# Altium PCB mppt.PcbDoc (part 1 of 2) (continued)
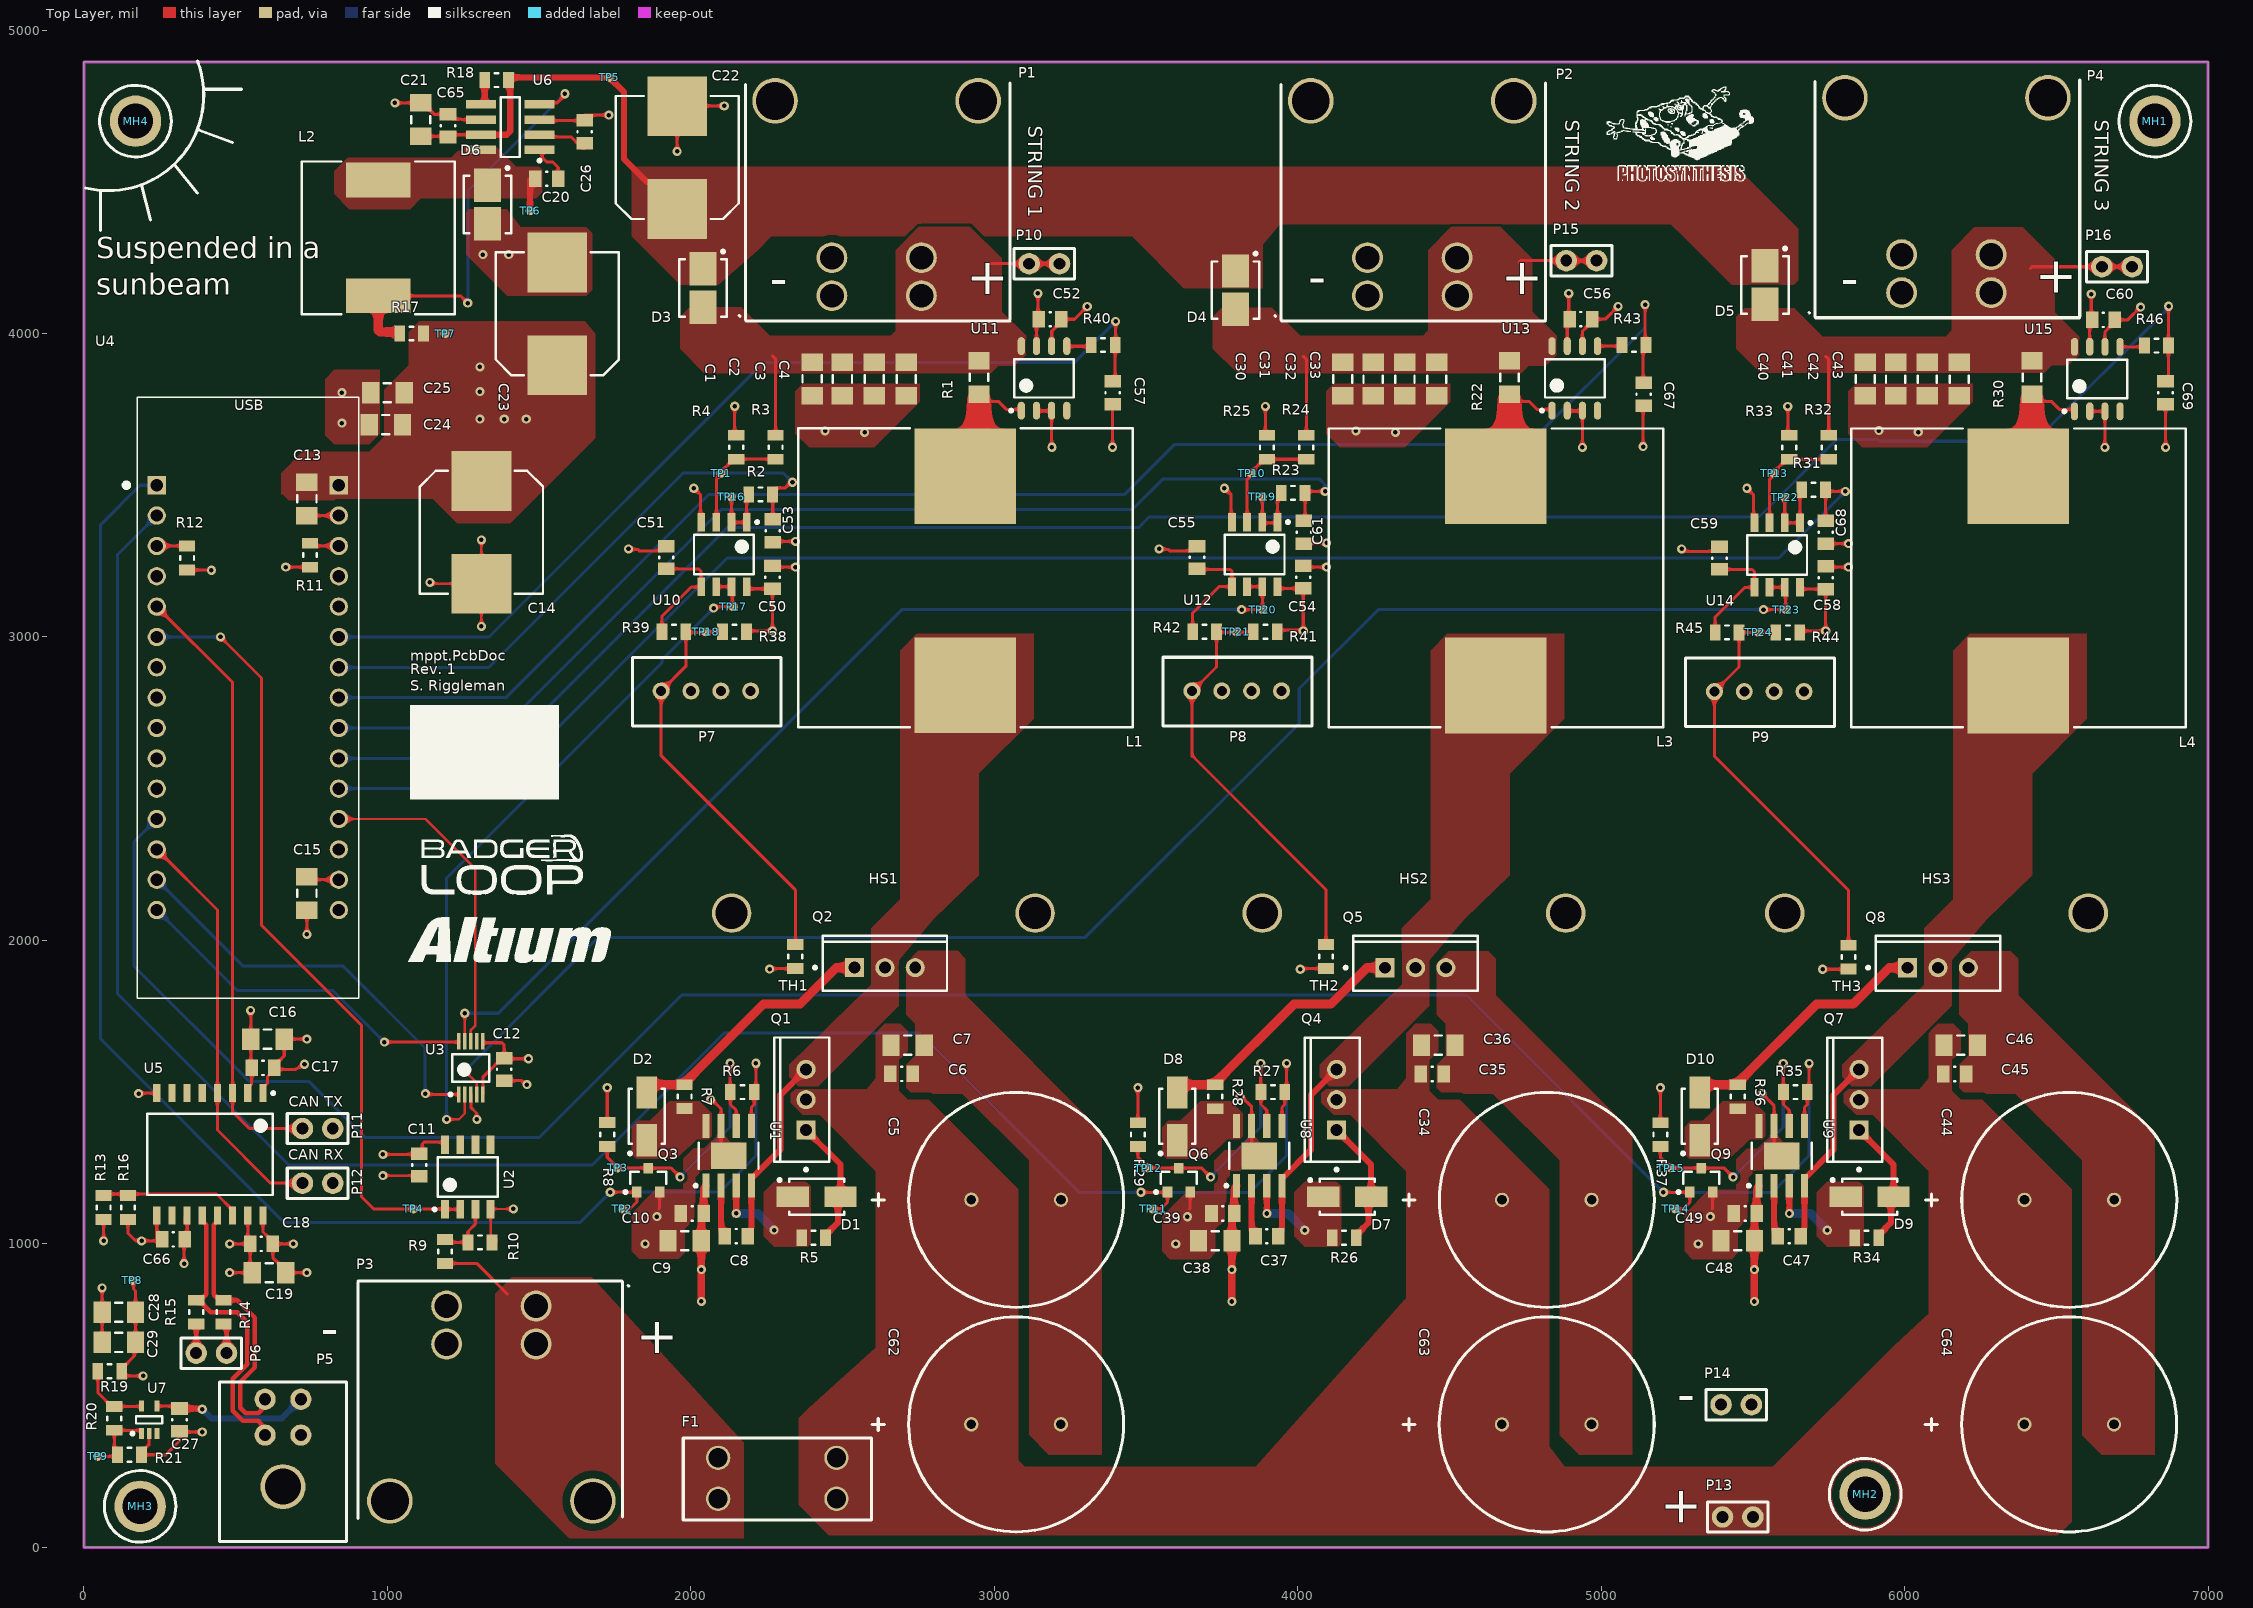
[diagram p0: Top Layer view]
## Classes and differential pairs
net class HV_115V: BATT_TELEM_OUT BOOST_OUT_STRING1 BOOST_STRING1 BOOST_STRING2 BOOST_STRING3 DH_STRING1 DH_STRING2 DH_STRING3 NetC8_1 NetC37_1 NetC47_1 SYNC_DRV_STRING1 SYNC_DRV_STRING2 SYNC_DRV_STRING3
net class HV_60V: I_SC_IN_NEG_STRING1 I_SC_IN_NEG_STRING2 I_SC_IN_NEG_STRING3 NetC21_1 NetR18_2 STRING_POS_STRING1 STRING_POS_STRING2 STRING_POS_STRING3
component class MPPT_TOP: C20 C21 C22 C23 C24 C25 C26 C27 C28 C29 C65 D3 D4 D5 D6 L2 R17 R18 R19 R20 R21 TP5 TP6 TP7 TP8 TP9 U6 U7
component class U_boost_converter_telem3: C58 C59 C60 C68 C69 P9 R31 R44 R45 R46 TH3 TP22 TP23 TP24 U14 U15
component class U_boost_converter_telem2: C54 C55 C56 C61 C67 P8 R23 R41 R42 R43 TH2 TP19 TP20 TP21 U12 U13
component class U_boost_converter_telem1: C50 C51 C52 C53 C57 P7 R2 R38 R39 R40 TH1 TP16 TP17 TP18 U10 U11
channel class boost_converter_telem: STRING1 STRING2 STRING3
channel class boost_converter: STRING1 STRING2 STRING3
component class STRING3: C40 C41 C42 C43 C44 C45 C46 C47 C48 C49 C64 D9 D10 HS3 L4 P16 Q7 Q8 Q9 R30 R32 R33 R34 R35 R36 R37 TP13 TP14 TP15 U9
component class STRING2: C30 C31 C32 C33 C34 C35 C36 C37 C38 C39 C63 D7 D8 HS2 L3 P15 Q4 Q5 Q6 R22 R24 R25 R26 R27 R28 R29 TP10 TP11 TP12 U8
component class STRING1: C1 C2 C3 C4 C5 C6 C7 C8 C9 C10 C62 D1 D2 HS1 L1 P10 Q1 Q2 Q3 R1 R3 R4 R5 R6 R7 R8 TP1 TP2 TP3 U1
differential pair CAN: +CAN_P -CAN_N

## Components (designator, comment, footprint, x,y, rotation, side; value= is the part's Value field where it differs from the comment)
C1 "10 µF" SMD-1206C 2499.61,3850.2 r90 top
C2 "10 µF" SMD-1206C 2399.61,3850.31 r90 top
C3 "1µF" SMD-1206C 2604.61,3850.2 r270 top
C4 "1µF" SMD-1206C 2709.61,3850.2 r270 top
C5 "UCY2G101MHD6" UCY2G101MHD6 3219.88,1145.2 r180 top
C6 "0.1uF" SMD-0805C 2694.61,1560.2 r180 top
C7 "10 µF" SMD-1206C 2714.61,1655.2 r180 top
C8 "0.1uF" SMD-0805C 2149.61,1025.2 r0 top
C9 "1µF" SMD-1206C 1979.61,1010.2 r180 top
C10 "0.1uF" SMD-0805C 2004.61,1100.2 r0 top
C11 "0.1uF" SMD-0805C 1105,1260 r270 top (schematic designator C32)
C12 "0.1uF" SMD-0805C 1385,1575 r270 top (schematic designator C33)
C13 "1µF" SMD-1206C 735,3455 r270 top (schematic designator C15)
C14 "PCR1J101MCL1GS" CAPAE110103X126M 1310,3345 r270 top (schematic designator C16)
C15 "1µF" SMD-1206C 735,2155 r270 top (schematic designator C17)
C16 "1µF" SMD-1206C 605,1675 r180 top (schematic designator C18)
C17 "0.1uF" SMD-0805C 590,1580 r180 top (schematic designator C19)
C18 "0.1uF" SMD-0805C 585,1000 r180 top (schematic designator C20)
C19 "1µF" SMD-1206C 610,905 r180 top (schematic designator C21)
C20 "0.1uF" SMD-0805C 1525,4510 r180 top (schematic designator C22)
C21 "1µF" SMD-1206C 1110,4705 r90 top (schematic designator C23)
C22 "PCR1J101MCL1GS" CAPAE110103X126M 1955,4580 r90 top (schematic designator C24)
C23 "PCR1J101MCL1GS" CAPAE110103X126M 1560,4064.8 r90 top (schematic designator C25)
C24 "10 µF" SMD-1206C 995,3700 r0 top (schematic designator C26)
C25 "1µF" SMD-1206C 1000,3805 r180 top (schematic designator C27)
C26 "0.1uF" SMD-0805C 1650,4665 r90 top (schematic designator C28)
C27 "0.1uF" SMD-0805C 315,420 r270 top (schematic designator C29)
C28 "10 µF" SMD-1206C 115,775 r0 top (schematic designator C30)
C29 "1µF" SMD-1206C 115,675 r180 top (schematic designator C31)
C30 "10 µF" SMD-1206C 4248.19,3850 r90 top (schematic designator C1)
C31 "10 µF" SMD-1206C 4148.19,3850.12 r90 top (schematic designator C2)
C32 "1µF" SMD-1206C 4353.19,3850 r270 top (schematic designator C3)
C33 "1µF" SMD-1206C 4458.19,3850 r270 top (schematic designator C4)
C34 "UCY2G101MHD6" UCY2G101MHD6 4968.46,1145 r180 top (schematic designator C5)
C35 "0.1uF" SMD-0805C 4443.19,1560 r180 top (schematic designator C6)
C36 "10 µF" SMD-1206C 4463.19,1655 r180 top (schematic designator C7)
C37 "0.1uF" SMD-0805C 3898.19,1025 r0 top (schematic designator C8)
C38 "1µF" SMD-1206C 3728.19,1010 r180 top (schematic designator C9)
C39 "0.1uF" SMD-0805C 3753.19,1100 r0 top (schematic designator C10)
C40 "10 µF" SMD-1206C 5970,3850 r90 top (schematic designator C1)
C41 "10 µF" SMD-1206C 5870,3850.12 r90 top (schematic designator C2)
C42 "1µF" SMD-1206C 6075,3850 r270 top (schematic designator C3)
C43 "1µF" SMD-1206C 6180,3850 r270 top (schematic designator C4)
C44 "UCY2G101MHD6" UCY2G101MHD6 6690.28,1145 r180 top (schematic designator C5)
C45 "0.1uF" SMD-0805C 6165,1560 r180 top (schematic designator C6)
C46 "10 µF" SMD-1206C 6185,1655 r180 top (schematic designator C7)
C47 "0.1uF" SMD-0805C 5620,1025 r0 top (schematic designator C8)
C48 "1µF" SMD-1206C 5450,1010 r180 top (schematic designator C9)
C49 "0.1uF" SMD-0805C 5475,1100 r0 top (schematic designator C10)
C50 "0.1uF" SMD-0805C 2269,3197 r90 top (schematic designator C11)
C51 "0.1uF" SMD-0805C 1919,3262 r90 top (schematic designator C12)
C52 "0.1uF" SMD-0805C 3184,4047 r180 top (schematic designator C13)
C53 "0.1uF" SMD-0805C 2270,3350 r270 top (schematic designator C14)
C54 "0.1uF" SMD-0805C 4018.16,3197.2 r90 top (schematic designator C11)
C55 "0.1uF" SMD-0805C 3668.16,3262.2 r90 top (schematic designator C12)
C56 "0.1uF" SMD-0805C 4933.16,4047.2 r180 top (schematic designator C13)
C57 "0.1uF" SMD-0805C 3390,3805 r270 top (schematic designator C37)
C58 "0.1uF" SMD-0805C 5740,3195 r90 top (schematic designator C11)
C59 "0.1uF" SMD-0805C 5390,3260 r90 top (schematic designator C12)
C60 "0.1uF" SMD-0805C 6655,4045 r180 top (schematic designator C13)
C61 "0.1uF" SMD-0805C 4020,3345 r270 top (schematic designator C14)
C62 "UCY2G101MHD6" UCY2G101MHD6 3219.61,405.2 r180 top (schematic designator C34)
C63 "UCY2G101MHD6" UCY2G101MHD6 4968.19,405 r180 top (schematic designator C34)
C64 "UCY2G101MHD6" UCY2G101MHD6 6690,405 r180 top (schematic designator C34)
C65 "0.1uF" SMD-0805C 1200,4685 r90 top (schematic designator C35)
C66 "0.1uF" SMD-0805C 295,1015 r180 top (schematic designator C36)
C67 "0.1uF" SMD-0805C 5140,3800 r270 top (schematic designator C37)
C68 "0.1uF" SMD-0805C 5740,3345 r270 top (schematic designator C14)
C69 "0.1uF" SMD-0805C 6860,3805 r270 top (schematic designator C37)
D1 "B340A-13-F" DIOM4326X20N 2414.61,1155.2 r0 top
D2 "B340A-13-F" DIOM4326X20N 1854.61,1420.2 r90 top
D3 "S320" DIOM4436X26N 2040,4150 r270 top
D4 "S320" DIOM4436X26N 3795,4142.99 r270 top
D5 "S320" DIOM4436X26N 5540,4160 r270 top
D6 "S320" DIOM4436X26N 1330,4425 r270 top
D7 "B340A-13-F" DIOM4326X20N 4163.19,1155 r0 top (schematic designator D1)
D8 "B340A-13-F" DIOM4326X20N 3603.19,1420 r90 top (schematic designator D2)
D9 "B340A-13-F" DIOM4326X20N 5885,1155 r0 top (schematic designator D1)
D10 "B340A-13-F" DIOM4326X20N 5325,1420 r90 top (schematic designator D2)
F1 "3568" "Fuse Holder 30A 500V 1 Circuit Blade Through Hole" 2480,295 r180 top
HS1 "6396BG" 6396BG 2134.61,2090.2 r0 top
HS2 "6396BG" 6396BG 3883.19,2090 r0 top (schematic designator HS1)
HS3 "6396BG" 6396BG 5605,2090 r0 top (schematic designator HS1)
L1 "74437529203101" 7443752903101 2904.61,3195.2 r270 top
L2 "SRR1260A-561K" SRR1260A-561K 970,4315 r270 top
L3 "74437529203101" 7443752903101 4653.19,3195 r270 top (schematic designator L1)
L4 "74437529203101" 7443752903101 6375,3195 r270 top (schematic designator L1)
MH1 "4-40 Mount Hole" MH 6825,4700 r0 top
MH2 "4-40 Mount Hole" MH 5870,175 r0 top
MH3 "4-40 Mount Hole" MH 185,135 r0 top
MH4 "4-40 Mount Hole" MH 170,4700 r0 top
P1 "0431605302" "CONN HDR 2POS 7.50MM" 2947.01,4766.93 r180 top (schematic designator P2)
P2 "0431605302" "CONN HDR 2POS 7.50MM" 4712.01,4766.93 r180 top (schematic designator P3)
P3 "0431605302" "CONN HDR 2POS 7.50MM" 1007.99,153.07 r0 top (schematic designator P4)
P4 "0431605302" "CONN HDR 2POS 7.50MM" 6472.01,4776.93 r180 top (schematic designator P5)
P5 "43045-0400" 430450400 656,200 r0 top (schematic designator P6)
P6 "Header 2" "Pin Header 1x2 TH Pitch 2.54mm" 470,640 r180 top (schematic designator P7)
P7 "JST-XH Header" "JST - XH 4 Pos" 1902.16,2822 r0 top (schematic designator P1)
P8 "JST-XH Header" "JST - XH 4 Pos" 3651.32,2822.2 r0 top (schematic designator P1)
P9 "JST-XH Header" "JST - XH 4 Pos" 5373.16,2820 r0 top (schematic designator P1)
P10 "Header 2" "Pin Header 1x2 TH Pitch 2.54mm" 3215,4230 r180 top (schematic designator P8)
P11 "Header 2" "Pin Header 1x2 TH Pitch 2.54mm" 820,1380 r180 top (schematic designator P9)
P12 "Header 2" "Pin Header 1x2 TH Pitch 2.54mm" 820,1200 r180 top (schematic designator P10)
P13 "Header 2" "Pin Header 1x2 TH Pitch 2.54mm" 5500,100 r180 top (schematic designator P11)
P14 "Header 2" "Pin Header 1x2 TH Pitch 2.54mm" 5495,470 r180 top (schematic designator P12)
P15 "Header 2" "Pin Header 1x2 TH Pitch 2.54mm" 4985,4240 r180 top (schematic designator P8)
P16 "Header 2" "Pin Header 1x2 TH Pitch 2.54mm" 6650,4220 r0 top (schematic designator P8)
Q1 "IPP075N15N3GXKSA1" "IPP075N15N3 G" 2379.61,1475.2 r180 top
Q2 "IPP075N15N3GXKSA1" "IPP075N15N3 G" 2639.61,1910.2 r90 top
Q3 "N-MOS Enhancement Mode" SOT95P240X110-3N 1859.61,1210.2 r90 top
Q4 "IPP075N15N3GXKSA1" "IPP075N15N3 G" 4128.19,1475 r180 top (schematic designator Q1)
Q5 "IPP075N15N3GXKSA1" "IPP075N15N3 G" 4388.19,1910 r90 top (schematic designator Q2)
Q6 "N-MOS Enhancement Mode" SOT95P240X110-3N 3608.19,1210 r90 top (schematic designator Q3)
Q7 "IPP075N15N3GXKSA1" "IPP075N15N3 G" 5850,1475 r180 top (schematic designator Q1)
Q8 "IPP075N15N3GXKSA1" "IPP075N15N3 G" 6110,1910 r90 top (schematic designator Q2)
Q9 "N-MOS Enhancement Mode" SOT95P240X110-3N 5330,1210 r90 top (schematic designator Q3)
R1 "Value" SMD-1206-RES 2949.61,3855.2 r270 top
R2 "1k" SMD-0805-RES 2230,3470 r0 top
R3 "100k" SMD-0805-RES 2279.61,3625.2 r270 top
R4 "3.3k" SMD-0805-RES 2149.61,3625.2 r90 top
R5 "0.0" SMD-0805-RES 2404.61,1020.2 r0 top
R6 "0.0" SMD-0805-RES 2169.61,1500.2 r0 top
R7 "0.0" SMD-0805-RES 1979.61,1485.2 r90 top
R8 "10k" SMD-0805-RES 1724.61,1360.2 r90 top
R9 "100k" SMD-0805-RES 1190,975 r90 top (schematic designator R23)
R10 "3.3k" SMD-0805-RES 1305,1005 r0 top (schematic designator R24)
R11 "10k" SMD-0805-RES 745,3269.37 r270 top (schematic designator R12)
R12 "10k" SMD-0805-RES 340,3260 r270 top (schematic designator R13)
R13 "10k" SMD-0805-RES 65,1120 r270 top (schematic designator R14)
R14 "60.4" SMD-0805-RES 460,775 r270 top (schematic designator R15)
R15 "60.4" SMD-0805-RES 370,775 r270 top (schematic designator R16)
R16 "10k" SMD-0805-RES 145,1120 r90 top (schematic designator R17)
R17 "0.0" SMD-0805-RES 1080,4000 r180 top (schematic designator R18)
R18 "0.0" SMD-0805-RES 1360,4835 r180 top (schematic designator R19)
R19 "0.0" SMD-0805-RES 85,580 r180 top (schematic designator R20)
R20 "249k" SMD-0805-RES 100,425 r90 top (schematic designator R21)
R21 "10k" SMD-0805-RES 150,305 r180 top (schematic designator R22)
R22 "Value" SMD-1206-RES 4698.19,3855 r270 top (schematic designator R1)
R23 "1k" SMD-0805-RES 3985,3475 r0 top (schematic designator R2)
R24 "100k" SMD-0805-RES 4028.19,3625 r270 top (schematic designator R3)
R25 "3.3k" SMD-0805-RES 3898.19,3625 r90 top (schematic designator R4)
R26 "0.0" SMD-0805-RES 4153.19,1020 r0 top (schematic designator R5)
R27 "0.0" SMD-0805-RES 3918.19,1500 r0 top (schematic designator R6)
R28 "0.0" SMD-0805-RES 3728.19,1485 r90 top (schematic designator R7)
R29 "10k" SMD-0805-RES 3473.19,1360 r90 top (schematic designator R8)
R30 "Value" SMD-1206-RES 6420,3855 r270 top (schematic designator R1)
R31 "1k" SMD-0805-RES 5700,3485 r0 top (schematic designator R2)
R32 "100k" SMD-0805-RES 5750,3625 r270 top (schematic designator R3)
R33 "3.3k" SMD-0805-RES 5620,3625 r90 top (schematic designator R4)
R34 "0.0" SMD-0805-RES 5875,1020 r0 top (schematic designator R5)
R35 "0.0" SMD-0805-RES 5640,1500 r0 top (schematic designator R6)
R36 "0.0" SMD-0805-RES 5450,1485 r90 top (schematic designator R7)
R37 "10k" SMD-0805-RES 5195,1360 r90 top (schematic designator R8)
R38 "10k" SMD-0805-RES 2144,3017 r0 top (schematic designator R9)
R39 "30k" SMD-0805-RES 1944,3017 r180 top (schematic designator R10)
R40 "1k" SMD-0805-RES 3359,3962 r0 top (schematic designator R11)
R41 "10k" SMD-0805-RES 3893.16,3017.2 r0 top (schematic designator R9)
R42 "30k" SMD-0805-RES 3693.16,3017.2 r180 top (schematic designator R10)
R43 "1k" SMD-0805-RES 5108.16,3962.2 r0 top (schematic designator R11)
R44 "10k" SMD-0805-RES 5615,3015 r0 top (schematic designator R9)
R45 "30k" SMD-0805-RES 5415,3015 r180 top (schematic designator R10)
R46 "1k" SMD-0805-RES 6830,3960 r0 top (schematic designator R11)
TH1 "NCP21XM472J03RA" SMD-0805-RES 2344,1947 r90 top
TH2 "NCP21XM472J03RA" SMD-0805-RES 4093.16,1947.2 r90 top (schematic designator TH1)
TH3 "NCP21XM472J03RA" SMD-0805-RES 5815,1945 r90 top (schematic designator TH1)
TP1 "TP" "Test Point" 2099.61,3540.2 r0 top
TP2 "TP" "Test Point" 1774.61,1115.2 r0 top
TP3 "TP" "Test Point" 1759.61,1250.2 r90 top
TP4 "TP" "Test Point" 1085,1115 r90 top (schematic designator TP12)
TP5 "TP" "Test Point" 1731,4844 r90 top (schematic designator TP7)
TP6 "TP" "Test Point" 1470,4405 r90 top (schematic designator TP8)
TP7 "TP" "Test Point" 1190,4000 r90 top (schematic designator TP9)
TP8 "TP" "Test Point" 160,880 r90 top (schematic designator TP10)
TP9 "TP" "Test Point" 45,300 r90 top (schematic designator TP11)
TP10 "TP" "Test Point" 3848.19,3540 r0 top (schematic designator TP1)
TP11 "TP" "Test Point" 3523.19,1115 r0 top (schematic designator TP2)
TP12 "TP" "Test Point" 3508.19,1250 r90 top (schematic designator TP3)
TP13 "TP" "Test Point" 5570,3540 r0 top (schematic designator TP1)
TP14 "TP" "Test Point" 5245,1115 r0 top (schematic designator TP2)
TP15 "TP" "Test Point" 5230,1250 r90 top (schematic designator TP3)
TP16 "TP" "Test Point" 2134,3462 r90 top (schematic designator TP4)
TP17 "TP" "Test Point" 2140,3100 r90 top (schematic designator TP5)
TP18 "TP" "Test Point" 2049,3017 r90 top (schematic designator TP6)
TP19 "TP" "Test Point" 3883.16,3462.2 r90 top (schematic designator TP4)
TP20 "TP" "Test Point" 3885,3090 r90 top (schematic designator TP5)
TP21 "TP" "Test Point" 3798.16,3017.2 r90 top (schematic designator TP6)
TP22 "TP" "Test Point" 5605,3460 r90 top (schematic designator TP4)
TP23 "TP" "Test Point" 5610,3090 r90 top (schematic designator TP5)
TP24 "TP" "Test Point" 5520,3015 r90 top (schematic designator TP6)
U1 "MAX5063DASA+" MAX5063DASA+ 2124.61,1290.2 r90 top
U2 "TL072CDR" SOP127P600X175-8N 1265,1220 r90 top (schematic designator U8)
U3 "TMUX1204DGSR" TSSOP50P490X110-10N 1275,1580 r90 top (schematic designator U9)
U4 "NUCLEO-L432KC" NUCLEO-L432KC 240,3500 r0 top
U5 "IL41050TE" "IL 41050TE" 415,1295 r270 top
U6 "MAX5033CUSA+" MAX5033CUSA+ 1405,4680 r180 top
U7 "ST715CR" ST715CR 215,420 r90 top
U8 "MAX5063DASA+" MAX5063DASA+ 3873.19,1290 r90 top (schematic designator U1)
U9 "MAX5063DASA+" MAX5063DASA+ 5595,1290 r90 top (schematic designator U1)
U10 "TL072CDR" SOP127P600X175-8N 2109,3272 r270 top (schematic designator U2)
U11 "INA240A3" SOIC127P600X175-8N 3164,3852 r90 top (schematic designator U3)
U12 "TL072CDR" SOP127P600X175-8N 3858.16,3272.2 r270 top (schematic designator U2)
U13 "INA240A3" SOIC127P600X175-8N 4913.16,3852.2 r90 top (schematic designator U3)
U14 "TL072CDR" SOP127P600X175-8N 5580,3270 r270 top (schematic designator U2)
U15 "INA240A3" SOIC127P600X175-8N 6635,3850 r90 top (schematic designator U3)

## Footprints (in the part's own frame and the unit in brackets; to place one, negate y for a bottom-side part, rotate by r counter-clockwise, add the part's x,y. Pads: shape width x height; smd on the part's side, far side on the other; paste and mask are expansions set on the pad)
6396BG [mil] "Heat Sink TO-220, TO-218 Aluminum 4.0W @ 30°C Board Level, Vertical"
  round 130 hole 105: 0(0,0) 1(1000,0)
  body extent -325,-505 1325,495, height 1000
430450400 [mil]
  round 70 hole 40: 1(59,170) 2(-59,170) 3(59,288) 4(-59,288)
  round 148 hole 118: 5(0,0)
  silkscreen extent -210,-181 210,344, body extent -200,-180 200,302, height 340
7443752903101 [mm] "Precision Wire Wound Inductor, 2-Leads, Body 25.00x28.00mm, IPC Medium Density"
  rect 8x8.5 smd: 1(-8.5,0) 2(9.017,0)
  silkscreen extent -12.5,-14 12.5,14, body extent -11.42,-13.58 11.67,13.72, height 20
CAPAE110103X126M [mm] "Aluminum Electrolytic Capacitor, Body 10.30x10.30x12.60mm, IPC Low Density"
  rect 5x5 smd: 1(-4.3,0) 2(4.3,0)
  silkscreen extent -5.15,-5.15 5.15,5.15, body extent -5.5,-5.15 5.5,5.15, height 12.6
"CONN HDR 2POS 7.50MM" [mm]
  round 2.58 hole 1.98: 1(4.75,16.31) 1(4.75,13.13) 2(12.243,13.13) 2(12.243,16.31)
  round 3.81 hole 3.175: ""(0,0) ""(16.993,0)
  silkscreen extent -2.67,-1.49 20,18.42, body extent -2.29,-3.05 18.8,16.74, height 15.12
DIOM4326X20N [mm] "Molded Diode, 2-Leads, Body 4.30x2.61mm, IPC Medium Density"
  rect 2.7x1.7 smd: 1(-2,0) 2(2,0)
  silkscreen extent -3.22,-1.5 2.3,1.52, body extent -2.52,-1.46 2.52,1.46, height 1.96
DIOM4436X26N [mm] "Molded Diode, 2-Leads, Body 4.40x3.62mm, IPC Medium Density"
  rect 2.8x2.26 smd: 1(-1.6,0) 2(1.6,0)
  silkscreen extent -3.17,-2 2.4,2, body extent -2.6,-1.97 2.6,1.97, height 2.61
"Fuse Holder 30A 500V 1 Circuit Blade Through Hole" [mil]
  round 80 hole 63: 1(0,135) 1(0,0) 2(390,0) 2(390,135)
  silkscreen extent -115,-65 505,205, body extent -110,-60 505,200, height 290
"IL 41050TE" [mm]
  rect 1.5x0.6 smd: 1(-5.12,4.445) 2(-5.12,3.175) 3(-5.12,1.905) 4(-5.12,0.635) 5(-5.12,-0.635) 6(-5.12,-1.905) 7(-5.12,-3.175) 8(-5.12,-4.445) 9(5.12,-4.445) 10(5.12,-3.175) 11(5.12,-1.905) 12(5.12,-0.635) 13(5.12,0.635) 14(5.12,1.905) 15(5.12,3.175) 16(5.12,4.445)
  silkscreen extent -5.24,-5.25 3.4,5.42, body extent -5.16,-5.25 5.16,5.25, height 2.67
"IPP075N15N3 G" [mm] "FM, 3-Leads, Body 10.03x8.98mm, Pitch 2.54mm"
  rect 1.6x1.6 hole 1: 1(0,2.54)
  round 1.6 hole 1: 2(0,0) 3(0,-2.54)
  silkscreen extent -1.93,-5.2 2.67,5.97, body extent -1.93,-5.2 2.67,5.2, height 20.75
"JST - XH 4 Pos" [mil]
  round 56 hole 33: 1(0,0) 2(98.42,0) 3(196.84,0) 4(295.26,0)
  silkscreen extent -95,-115 395,111, body extent -90,-110 390,105, height 275
MAX5033CUSA+ [mm] "SOIC, 8-Leads, Body 4.9x3.9mm, Pitch 1.27mm, IPC Low Density"
  rect 2.5x0.7 smd: 1(-2.45,1.905) 2(-2.45,0.635) 3(-2.45,-0.635) 4(-2.45,-1.905) 5(2.45,-1.905) 6(2.45,-0.635) 7(2.45,0.635) 8(2.45,1.905)
  silkscreen extent -2.58,-2.5 0.8,2.93, body extent -2,-2.5 2,2.5, height 1.75
MAX5063DASA+ [mm] "SOIC, 8-Leads, Body 4.9x3.9mm, Pitch 1.27mm, Thermal Pad, IPC Medium Density"
  rect 2x0.6 smd: 1(-2.5,1.905) 2(-2.5,0.635) 3(-2.5,-0.635) 4(-2.5,-1.905) 5(2.5,-1.905) 6(2.5,-0.635) 7(2.5,0.635) 8(2.5,1.905)
  rect 2.25x2.95 smd: 9(0,0)
  silkscreen extent -2.62,-2.5 1.1,2.88, body extent -1.99,-2.49 1.99,2.49, height 1.68
MH [mm] "#10 Mount Hole"
  round 4.3 hole 2.946 unplated: 2(0,0)
  silkscreen extent -3,-3 3,3, body extent -2.32,-2.58 2.32,2.07, height 2.84
NUCLEO-L432KC [mm]
  rect 1.53x1.53 hole 1.02: 3.1(0,0) 4.1(15.24,0)
  round 1.53 hole 1.02: 3.2(0,-2.54) 3.3(0,-5.08) 3.4(0,-7.62) 3.5(0,-10.16) 3.6(0,-12.7) 3.7(0,-15.24) 3.8(0,-17.78) 3.9(0,-20.32) 3.10(0,-22.86) 3.11(0,-25.4) 3.12(0,-27.94) 3.13(0,-30.48) 3.14(0,-33.02) 3.15(0,-35.56) 4.2(15.24,-2.54) 4.3(15.24,-5.08) 4.4(15.24,-7.62) 4.5(15.24,-10.16) 4.6(15.24,-12.7) 4.7(15.24,-15.24) 4.8(15.24,-17.78) 4.9(15.24,-20.32) 4.10(15.24,-22.86) 4.11(15.24,-25.4) 4.12(15.24,-27.94) 4.13(15.24,-30.48) 4.14(15.24,-33.02) 4.15(15.24,-35.56)
  silkscreen extent -2.74,-42.92 16.89,7.36, body extent -5.13,-47.16 19.87,10.84, height 6.96
"Pin Header 1x2 TH Pitch 2.54mm" [mm] "PinHeader 1x2 TH Pitch 2.54mm"
  round 1.8 hole 1: 1(0,0) 2(2.54,0)
  silkscreen extent -1.27,-1.27 3.81,1.27, body extent -1.27,-1.27 3.81,1.27, height 9.5
SMD-0805-RES [mm]
  rect 0.9x1.35 smd: 1(-1,0) 2(1,0)
  silkscreen extent -0.15,-0.58 0.15,0.58, body extent -1.1,-0.67 1.1,0.67, height 0.5
SMD-0805C [mm]
  rect 1.05x1.4 smd: 1(-0.95,0) 2(0.95,0)
  silkscreen extent -0.05,-0.6 0.05,0.6, body extent -1.1,-0.67 1.1,0.67, height 0.5
SMD-1206-RES [mm]
  rect 1.45x1.75 smd: 1(-1.4,0) 2(1.4,0)
  silkscreen extent -0.3,-0.77 0.3,0.77, body extent -1.78,-0.87 1.78,0.87, height 0.5
SMD-1206C [mm]
  rect 1.45x1.8 smd: 1(-1.4,0) 2(1.4,0)
  silkscreen extent -0.3,-0.8 0.3,0.8, body extent -1.78,-0.87 1.78,0.87, height 0.5
SOIC127P600X175-8N [mm] "SOIC, 8-Leads, Body 4.90x3.90mm, Pitch 1.27mm, IPC Medium Density"
  oval 1.5x0.6 smd: 1(-2.7,1.905) 2(-2.7,0.635) 3(-2.7,-0.635) 4(-2.7,-1.905) 5(2.7,-1.905) 6(2.7,-0.635) 7(2.7,0.635) 8(2.7,1.905)
  silkscreen extent -2.82,-2.5 1.6,2.88, body extent -3,-2.5 3,2.5, height 1.75
SOP127P600X175-8N [mm] "SOP, 8-Leads, Body 4.91x3.90mm, Pitch 1.27mm, IPC Medium Density"
  rect 1.55x0.65 smd: 1(-2.7,1.905) 2(-2.7,0.635) 3(-2.7,-0.635) 4(-2.7,-1.905) 5(2.7,-1.905) 6(2.7,-0.635) 7(2.7,0.635) 8(2.7,1.905)
  silkscreen extent -2.82,-2.5 1.65,2.9, body extent -3,-2.5 3,2.5, height 1.75
SOT95P240X110-3N [mm] "SOT23, 3-Leads, Body 2.90x2.40mm, Pitch 0.95mm, IPC Medium Density"
  rect 0.9x0.8 smd: 1(-1,0.95) 2(1,0) 3(-1,-0.95)
  silkscreen extent -1.12,-1.5 0.7,2.02, body extent -0.7,-1.5 0.7,1.5, height 1.1
SRR1260A-561K [mm]
  rect 2.9x5.4 smd: 1(-4.85,0) 2(4.85,0)
  silkscreen extent -6.4,-6.4 6.4,6.4, body extent -6.35,-6.25 6.35,6.25, height 6.6
ST715CR [mm] "SOT23, 5-Leads, Body 2.00x2.10mm, Pitch 0.65mm, IPC Medium Density"
  rect 0.9x0.4 smd: 1(-1.15,0.65) 2(-1.15,0) 3(-1.15,-0.65) 4(1.15,-0.65) 5(1.15,0.65)
  silkscreen extent -1.27,-1.1 0.3,1.52, body extent -1.2,-1.1 1.2,1.1, height 1.1
"Test Point" [mil] "SMD Test Point"
  round 30 smd: 1(0,0)
TSSOP50P490X110-10N [mm] "TSSOP, 10-Leads, Body 3.00x3.00mm, Pitch 0.50mm, IPC Medium Density"
  rect 1.35x0.3 smd: 1(-2.225,1) 2(-2.225,0.5) 3(-2.225,0) 4(-2.225,-0.5) 5(-2.225,-1) 6(2.225,-1) 7(2.225,-0.5) 8(2.225,0) 9(2.225,0.5) 10(2.225,1)
  silkscreen extent -2.35,-1.55 1.15,1.82, body extent -2.45,-1.55 2.45,1.55, height 1.1
UCY2G101MHD6 [mm]
  round 1.2 hole 0.8: 1(0,0) 2(7.5,0)
  silkscreen extent -5.25,-9 15.8,9, body extent -5.17,-8.87 12.83,9.12, height 32

## Part data
C1 C2 C7 C24 C28 C30 C31 C36 C40 C41 C46: library part C3216X6S2A106K160AC, "10 µF ±10% 100V Ceramic Capacitor X6S 1206 (3216 Metric)", Manufacturer=TDK, Supplier Part Number 1=445-C3216X6S2A106K160ACCT-ND, Category="Ceramic Capacitors", Manufacturer Part Number=C3216X6S2A106K160AC, Pricing 1="1=1.39000, 10=1.10000, 50=0.95320, 100=0.82490, 500=0.62328, 1000=0.54994 (USD)", RoHS=Yes, Stock 1=2070, Supplier 1=Digi-Key
C3 C4 C9 C13 C15 C16 C19 C21 C25 C29 C32 C33 C38 C42 C43 C48: library part GMC31X7R105K100NT, "CAP CER 1UF 100V X7R 1206", Digi-Key Part Number=2571-GMC31X7R105K100NTTR-ND, Operating Temperature="-55°C ~ 85°C", Package / Case="1206 (3216 Metric)", Ratings=AEC-Q200, Temperature Coefficient=X7R, Tolerance=±20%, Voltage=100V, Applications=Automotive, Datasheets=https://www.digikey.com/en/products/detail/cal-chip-electronics-inc/GMC31X7R105K100NT/12697998, Features=-, Height - Seated (Max)=-, Lead Spacing=-, Lead Style=-, Mounting Type="Surface Mount, MLCC", Packaging=1206, Part Number=GMC31X7R105K100NT, Size / Dimension="0.126\" L x 0.063\" W (3.20mm x 1.60mm)", Thickness (Max)="0.071\" (1.80mm)"
C5 C34 C44 C62 C63 C64: "Cap Aluminum Lytic 100uF 400V 20% (18 X 31.5mm) Radial 7.5mm 875mA 12000h 105C Automotive Bulk", Capacitance=100uF, Case/Package=Radial, Manufacturer=Nichicon, Max Operating Temperature=105°C, Min Operating Temperature=-40°C, Package Quantity=50, Ripple Current=875mA, Supplier Part Number 1=647-UCY2G101MHD6, Tolerance=20%, Voltage Rating=400V, Category="Aluminum Electrolytic Capacitors", ComponentLink1Description=https://datasheet.ciiva.com/11675/e-cy-11675845.pdf?src-supplier=Avnet, ComponentLink1URL=https://datasheet.ciiva.com/11675/e-cy-11675845.pdf?src-supplier=Avnet, ComponentLink2Description=https://datasheet.ciiva.com/17522/e-cy-17522213.pdf?src-supplier=Avnet+Europe, ComponentLink2URL=https://datasheet.ciiva.com/17522/e-cy-17522213.pdf?src-supplier=Avnet+Europe, Diameter=18mm, Dissipation Factor=0.24%, Features="General Purpose", Height=31.5mm, Height - Seated (Max)=1.299inch, Lead Pitch=7.5mm, Length=31.5mm, Life (Hours)=10000Hour, Manufacturer Part Number=UCY2G101MHD6, Mount="Through Hole", Packaging=Bulk, Polarity=Polar, Pricing 1="1=4.44000, 10=3.09000, 50=3.09000, 100=2.08000, 600=1.86000, 1000=1.86000, 10000=1.86000 (USD)", Radiation Hardening=No, RoHS=Yes, RoHS Compliant=Yes, Series=UCY, Stock 1=17, Supplier 1=Mouser, Termination=Radial, Voltage Rating (DC)=400V
C6 C8 C10 C11 C12 C17 C18 C20 C26 C27 C35 C37 C39 C45 C47 C49 C50 C51 C52 C53 C54 C55 C56 C57 C58 C59 C60 C61 C65 C66 C67 C68 C69: library part CGA4J3X7T2E104K125AA, "Cap Ceramic 0.1uF 250V X7T 10% SMD 0805 125°C Blister Plastic T/R", Capacitance=100nF, Case Code (Imperial)=0805, Case Code (Metric)=2012, Dielectric=X7T, Manufacturer=TDK, Max Operating Temperature=125°C, Min Operating Temperature=-55°C, Package Quantity=2000, Ratings=AEC-Q200, Resistor Type=Ceramic, Tolerance=10%, Voltage Rating=250V, Case/Package=0805, Category="Ceramic Capacitors", ComponentLink1Description=https://datasheet.ciiva.com/22703/1807242-22703721.pdf?src-supplier=Element14, ComponentLink1URL=https://datasheet.ciiva.com/22703/1807242-22703721.pdf?src-supplier=Element14, Construction=Flat, Depth=1.25mm, Height=1.25mm, Length=2mm, Manufacturer Part Number=CGA4J3X7T2E104K125AA, Mount="Surface Mount", Packaging="Tape and Reel", Pricing 1="1=0.33000, 10=0.22600, 50=0.15820, 100=0.13560, 500=0.10172, 1000=0.08590 (USD)", Radiation Hardening=No, REACH SVHC="No SVHC", RoHS=Yes, RoHS Compliant=Yes, Series=CGA, Stock 1=335314, Supplier 1=Digi-Key, Supplier Part Number 1=0.1uF, Termination=SMD/SMT, Thickness=0.057inch, Voltage Rating (DC)=250V, Weight=0.000194oz, Width=1.25mm
C14 C22 C23: "CAP ALUM POLY 100UF 20% 63V SMD", Capacitance=100uF, Case/Package=Radial, ESR (Equivalent Series Resistance)=24mR, Leakage Current=3uA, Manufacturer=Nichicon, Max Operating Temperature=125°C, Min Operating Temperature=-55°C, Package Quantity=1, Ripple Current=3A, Supplier Part Number 1=493-13783-1-ND, Tolerance=20%, Voltage=63V, ComponentLink1Description=https://datasheet.ciiva.com/29551/e-ch-ta-29551389.pdf?src-supplier=Digi-Key, ComponentLink1URL=https://datasheet.ciiva.com/29551/e-ch-ta-29551389.pdf?src-supplier=Digi-Key, ComponentLink2Description=https://datasheet.ciiva.com/29551/e-ch-ta-29551390.pdf?src-supplier=Digi-Key, ComponentLink2URL=https://datasheet.ciiva.com/29551/e-ch-ta-29551390.pdf?src-supplier=Digi-Key, ComponentLink3Description=https://datasheet.ciiva.com/29551/e-ch-ta-29551391.pdf?src-supplier=Digi-Key, ComponentLink3URL=https://datasheet.ciiva.com/29551/e-ch-ta-29551391.pdf?src-supplier=Digi-Key, Depth=10.3mm, Diameter=10mm, Dissipation Factor=0.08%, Height=12.7mm, Height - Seated (Max)=0.504inch, Lead Free="Lead Free", Lead Pitch=4.6mm, Length=12.7mm, Life (Hours)=4000Hour, Manufacturer Part Number=PCR1J101MCL1GS, Mount="Surface Mount,PCB", Packaging="Tape and Reel", Pricing 1="1=3.63000, 10=2.92800, 100=2.28380 (USD)", RoHS=Yes, Stock 1=11476, Supplier 1=Digi-Key, Termination=SMD/SMT, Voltage Rating=63V, Voltage Rating (DC)=63V, Weight=0.045856oz
D1 D2 D7 D8 D9 D10: "DIODE SCHOTTKY 40V 3A SMA", Average Rectified Current=3A, Capacitance=250pF, Case/Package=SMA, Forward Voltage=500mV, Manufacturer=Diodes, Max Forward Surge Current (Ifsm)=80A, Max Operating Temperature=125°C, Max Repetitive Reverse Voltage (Vrrm)=40V, Min Operating Temperature=-55°C, Package Quantity=5000, Peak Reverse Current=500uA, Supplier Part Number 1=B340A-FDICT-ND, ComponentLink1Description=https://datasheet.ciiva.com/26949/getdatasheetpartid-143394-26949352.pdf?src-supplier=Verical, ComponentLink1URL=https://datasheet.ciiva.com/26949/getdatasheetpartid-143394-26949352.pdf?src-supplier=Verical, ComponentLink2Description=https://datasheet.ciiva.com/4245/861ds30891-4245763.pdf?src-supplier=Arrow, ComponentLink2URL=https://datasheet.ciiva.com/4245/861ds30891-4245763.pdf?src-supplier=Arrow, ComponentLink3Description=https://datasheet.ciiva.com/1177/ds30891-1177476.pdf?src-supplier=Element14, ComponentLink3URL=https://datasheet.ciiva.com/1177/ds30891-1177476.pdf?src-supplier=Element14, ComponentLink4Description=https://datasheet.ciiva.com/913/ds30891-913638.pdf?src-supplier=Digi-Key, ComponentLink4URL=https://datasheet.ciiva.com/913/ds30891-913638.pdf?src-supplier=Digi-Key, ComponentLink5Description=https://datasheet.ciiva.com/46393/1911813-46393773.pdf?src-supplier=Element14, ComponentLink5URL=https://datasheet.ciiva.com/46393/1911813-46393773.pdf?src-supplier=Element14, ComponentLink6Description=https://datasheet.ciiva.com/1240/ds30891-1240228.pdf?src-supplier=Newark, ComponentLink6URL=https://datasheet.ciiva.com/1240/ds30891-1240228.pdf?src-supplier=Newark, ComponentLink7Description=https://datasheet.ciiva.com/913/ds30891-913637.pdf?src-supplier=Digi-Key, ComponentLink7URL=https://datasheet.ciiva.com/913/ds30891-913637.pdf?src-supplier=Digi-Key, ComponentLink8Description=https://datasheet.ciiva.com/913/ds30891-913639.pdf?src-supplier=Digi-Key, ComponentLink8URL=https://datasheet.ciiva.com/913/ds30891-913639.pdf?src-supplier=Digi-Key, Contact Plating=Tin,Matte, Current=3A, Current Rating=3A, Element Configuration=Single, Forward Current=3A, Height=2.3mm, Lead Free="Lead Free", Length=4.6mm, Manufacturer Part Number=B340A-13-F, Max Reverse Voltage (DC)=40V, Mount="Surface Mount", Number of Pins=2, Output Current=3A, Packaging="Tape and Reel", Peak Non-Repetitive Surge Current=80A, Polarity=Standard, Pricing 1="1=0.42000, 10=0.33900, 100=0.23070, 500=0.17304, 1000=0.12978 (USD)", Radiation Hardening=No, REACH SVHC="No SVHC", RoHS=Yes, Stock 1=438328, Supplier 1=Digi-Key, Termination=SMD/SMT, Voltage=40V, Voltage Rating (DC)=40V, Weight=0.002258oz, Width=2.92mm
D3 D4 D5 D6: "Diode Schottky 200V 3A 2-Pin BGA MICROSTAR JUNIOR", Average Rectified Current=3A, Case/Package=SMB, Forward Voltage=900mV, Manufacturer="ON Semiconductor / Fairchild", Max Forward Surge Current (Ifsm)=80A, Max Operating Temperature=150°C, Max Repetitive Reverse Voltage (Vrrm)=200V, Max Reverse Current=7uA, Min Operating Temperature=-65°C, Package Quantity=3000, Supplier Part Number 1=S320FSCT-ND, Category="Schottky Diodes", ComponentLink1Description=https://datasheet.ciiva.com/4713/s320-100128-4713817.pdf?src-supplier=Mouser, ComponentLink1URL=https://datasheet.ciiva.com/4713/s320-100128-4713817.pdf?src-supplier=Mouser, ComponentLink2Description=https://datasheet.ciiva.com/8301/s320-8301072.pdf?src-supplier=Avnet, ComponentLink2URL=https://datasheet.ciiva.com/8301/s320-8301072.pdf?src-supplier=Avnet, ComponentLink3Description=https://datasheet.ciiva.com/30479/0900766b81185cf0-30479383.pdf?src-supplier=RSComponents, ComponentLink3URL=https://datasheet.ciiva.com/30479/0900766b81185cf0-30479383.pdf?src-supplier=RSComponents, ComponentLink4Description=https://datasheet.ciiva.com/22651/1774731-22651976.pdf?src-supplier=Element14, ComponentLink4URL=https://datasheet.ciiva.com/22651/1774731-22651976.pdf?src-supplier=Element14, ComponentLink5Description=https://datasheet.ciiva.com/23683/1725732-23683476.pdf?src-supplier=Newark, ComponentLink5URL=https://datasheet.ciiva.com/23683/1725732-23683476.pdf?src-supplier=Newark, ComponentLink6Description=https://datasheet.ciiva.com/6380/s320-6380887.pdf?src-supplier=Digi-Key, ComponentLink6URL=https://datasheet.ciiva.com/6380/s320-6380887.pdf?src-supplier=Digi-Key, ComponentLink7Description=https://datasheet.ciiva.com/6380/s320-6380889.pdf?src-supplier=Digi-Key, ComponentLink7URL=https://datasheet.ciiva.com/6380/s320-6380889.pdf?src-supplier=Digi-Key, ComponentLink8Description=https://datasheet.ciiva.com/6380/s320-6380891.pdf?src-supplier=Digi-Key, ComponentLink8URL=https://datasheet.ciiva.com/6380/s320-6380891.pdf?src-supplier=Digi-Key, Contact Plating=Tin,Matte, Element Configuration=Single, Forward Current=3A, Height=2.45mm, Lead Free="Lead Free", Length=4.75mm, Manufacturer Part Number=S320, Max Reverse Voltage (DC)=200V, Max Surge Current=80A, Mount="Surface Mount", Number of Pins=2, Packaging="Tape and Reel", Peak Non-Repetitive Surge Current=80A, Pricing 1="1=0.84000, 10=0.74300, 100=0.56990, 500=0.45050, 1000=0.37188 (USD)", Radiation Hardening=No, REACH SVHC="No SVHC", Reverse Recovery Time=30ns, RoHS=Yes, RoHS Compliant=Yes, Series=-, Stock 1=26356, Supplier 1=Digi-Key, Weight=0.18g, Width=3.95mm